# Altium PCB 23005.PcbDoc (part 3 of 3)
Units mm, origin at the board's own origin, x right, y up, seen from the top; angles counter-clockwise.
Board outline 170 x 170 mm, 4 copper layers (Top Layer, Mid Layer 1, Mid Layer 2, Bottom Layer), stack 0.981 mm thick; 179 components, 261 nets, 1060 pads, 391 vias.
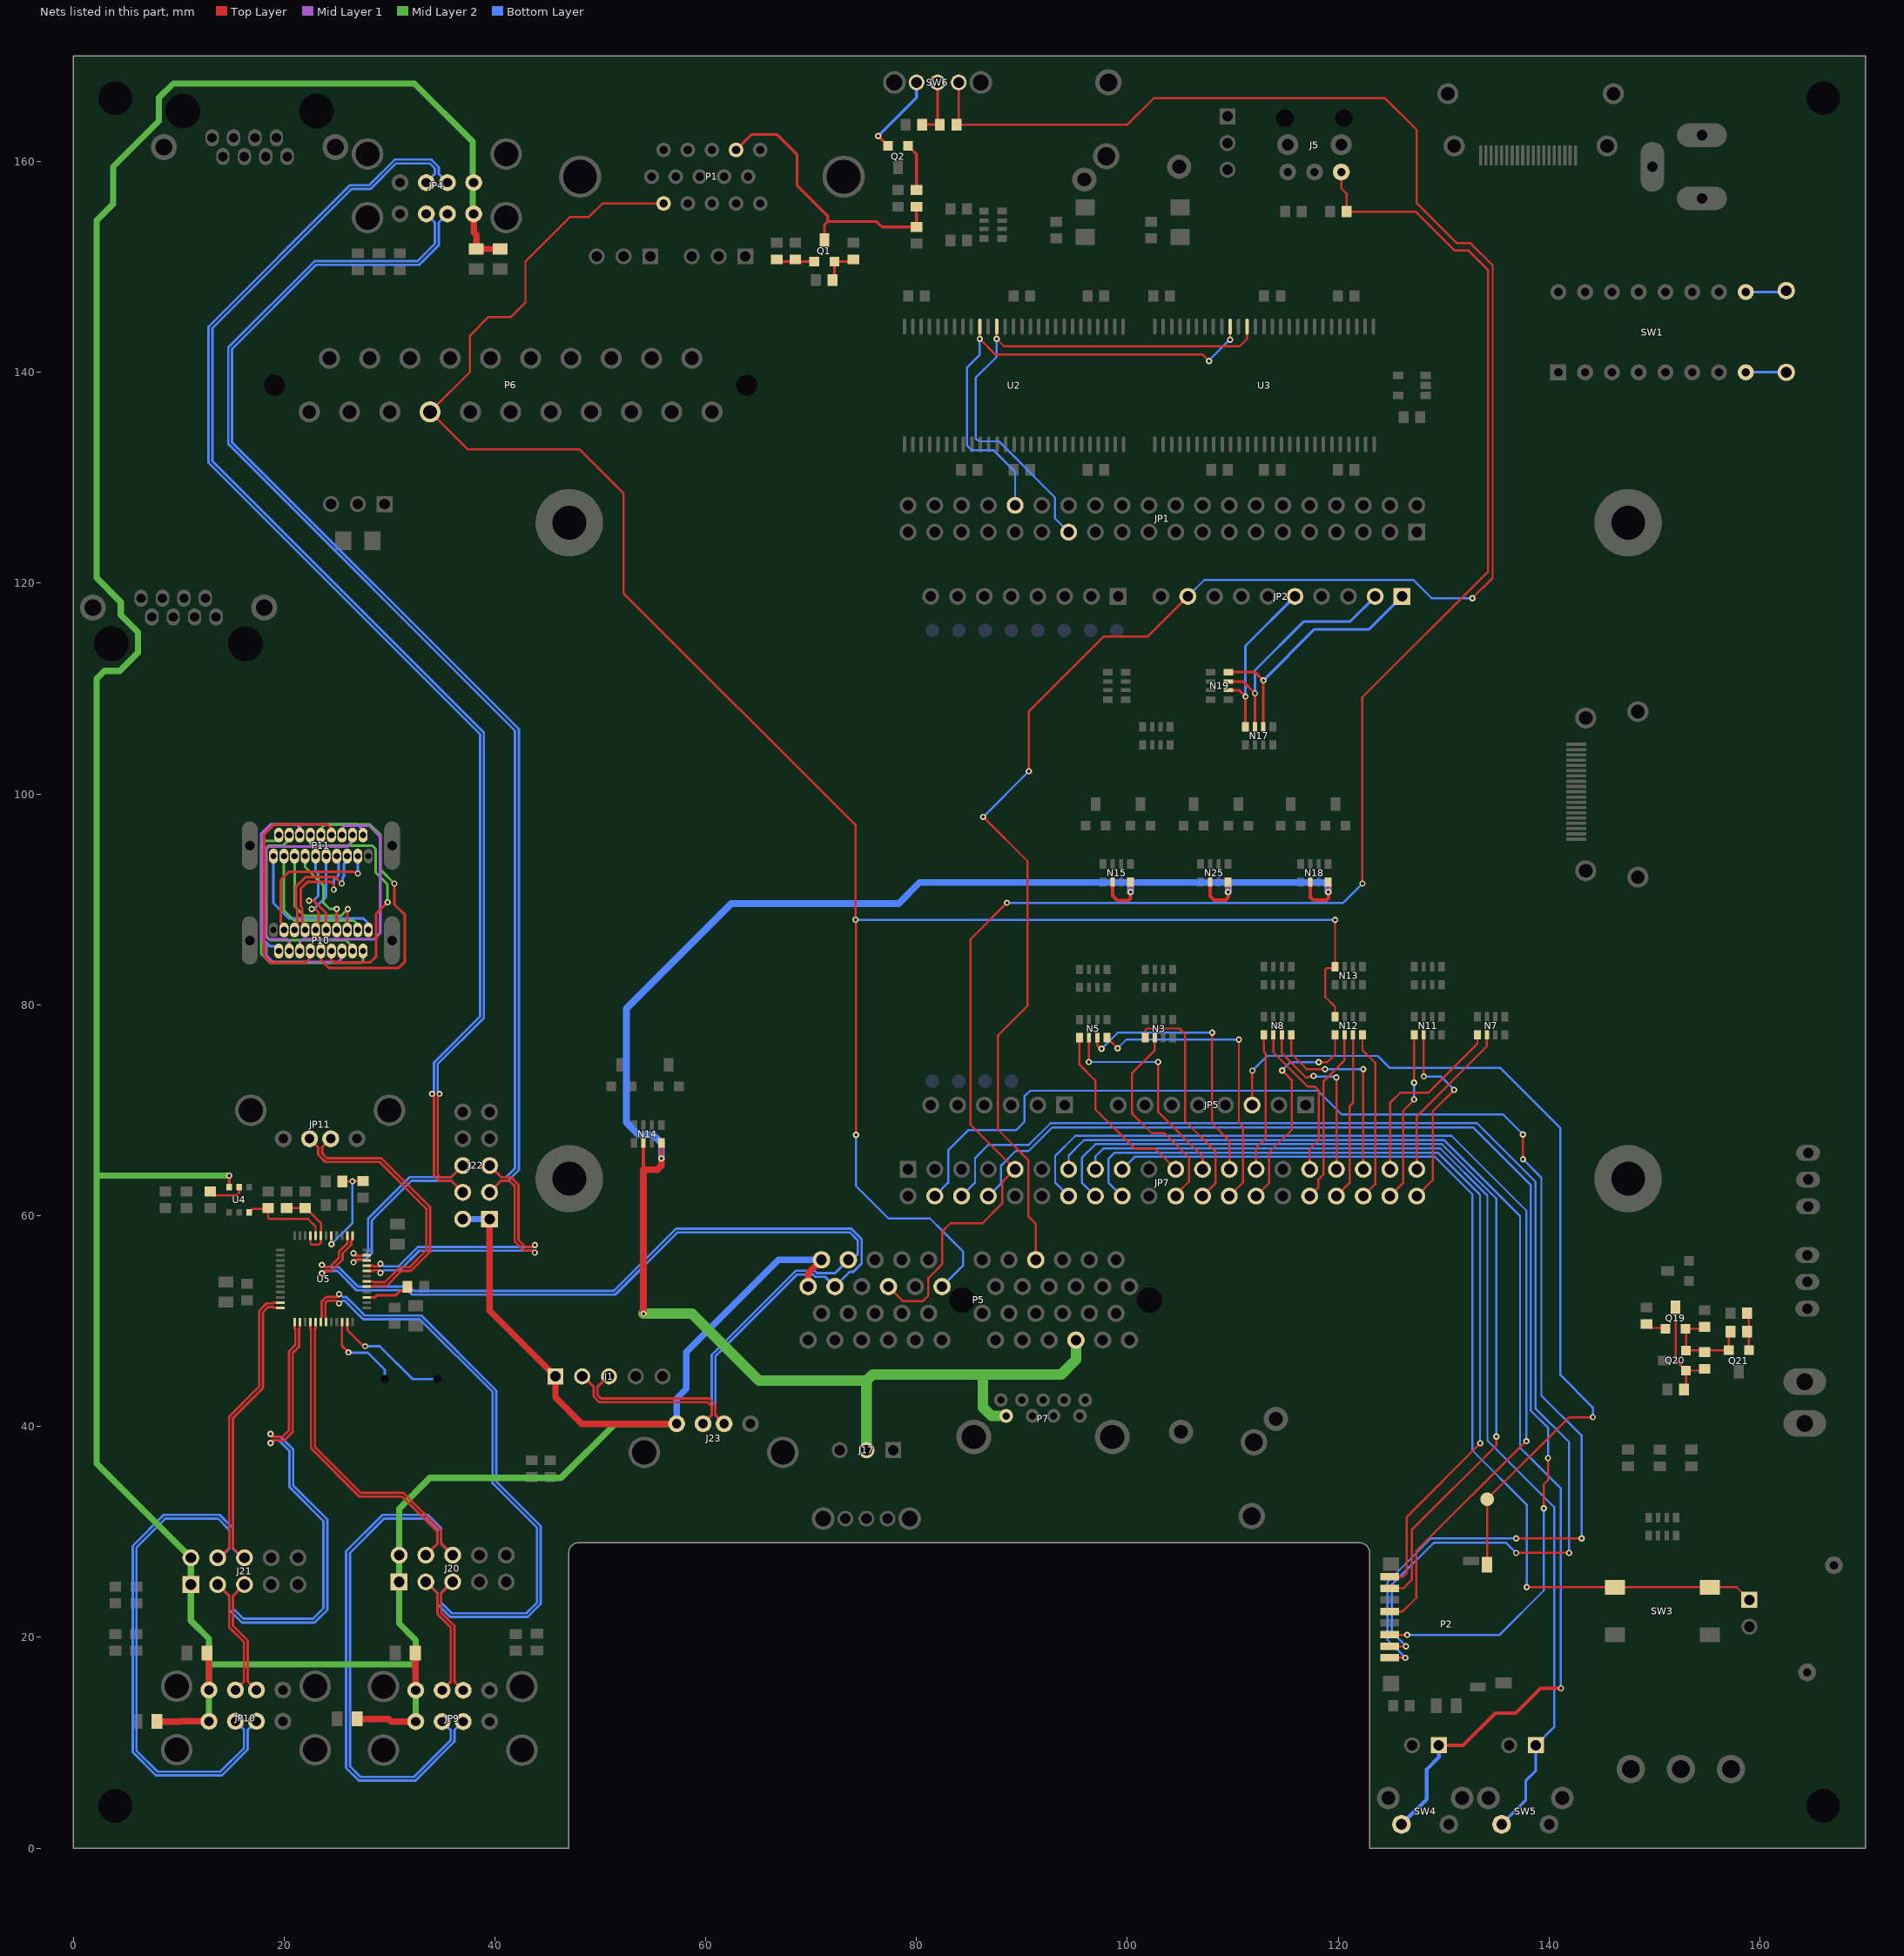
[diagram p5: the nets of this part, all layers, seen from the top]

## Via types
v1: diameter 0.6, hole 0.3, Top Layer to Bottom Layer, tented both sides, 388 vias
v2: diameter 1.4, hole 0.8, Top Layer to Bottom Layer, tented both sides, 3 vias

## Nets (pads, with @x,y where several pads share a name; then routed paths per layer and width w, separated by ;. In a path a pad name is that pad's centre, name@x,y a point inside that pad or via, vN(x,y) a via of type N, cw(c..) or ccw(c..) an arc to the next point about the centre after c; other vN are vias at no path point) (continued)
NetP10_2: P10.2 P11.2 | length 22.6
  Bottom Layer w0.25: P10.2@19.5,85.1 19.5,85.213 19.138,85.575 18.65,85.575 18,86.225 18,96.25 18.875,97.125 26.95,97.125 27.5,96.575 P11.2@27.5,96.1
NetP10_3: P10.3 P11.3 | length 14.2
  Top Layer w0.25: P10.3@20,87.1 20,87.537 19.7,87.837 19.7,91.85 20.475,92.625 26.73,92.625 26.905,92.45 v1(27,92.45)
  Bottom Layer w0.25: v1(27,92.45) P11.3@27,94.1
NetP10_4: P10.4 P11.4 | length 20.8
  Mid Layer 1 w0.25: P10.4@20.5,85.1 20.5,86.054 20.354,86.2 18.571,86.2 18.275,86.496 18.275,94.75 18.55,95.025 26.025,95.025 26.5,95.5 P11.4@26.5,96.1
NetP10_5: P10.5 P11.5 | length 12.1
  Top Layer w0.25: P10.5@21,87.1 21,87.537 21.275,87.812 21.275,89 21.125,89.15 21.125,91.186 22.043,92.104 24.872,92.104 v1(25.476,91.5)
  Bottom Layer w0.25: v1(25.476,91.5) 25.543,91.567 25.543,92.032 25.7,92.189 25.7,93.379 26,93.679 P11.5@26,94.1
NetP10_6: P10.6 P11.6 | length 22.8
  Mid Layer 1 w0.25: P10.6@21.5,85.1 21.503,85.103 21.503,86.003 21.7,86.2 28.525,86.2 29.129,86.804 29.129,95.946 28.075,97 25.775,97 25.5,96.725 P11.6@25.5,96.1
NetP10_7: P10.7 P11.7 | length 11.5
  Top Layer w0.25: P10.7@22,87.1 22,87.537 21.725,87.812 21.725,89.2 21.575,89.35 21.575,91 22.229,91.654 24.458,91.654 24.725,91.388 v1(24.725,90.925)
  Bottom Layer w0.25: v1(24.725,90.925) 24.725,91.85 25.2,92.325 25.2,93.463 25,93.663 P11.7@25,94.1
NetP10_8: P10.8 P11.8 | length 24.6
  Top Layer w0.25: P10.8@22.5,85.1 22.385,84.985 22.385,84.36 22.025,84 18.725,84 18.125,84.6 18.125,96.15 19.1,97.125 24.125,97.125 24.5,96.75 P11.8@24.5,96.1
NetP10_9: P10.9 P11.9 | length 8.3
  Top Layer w0.25: v1(22.625,89.075) 22.975,89.075 23.275,88.775 23.275,87.812 23,87.537 P10.9@23,87.1
  Bottom Layer w0.25: v1(22.625,89.075) 22.692,89.142 22.889,89.142 24,90.253 P11.9@24,94.1
NetP10_10: P10.10 P11.10 | length 29.2
  Top Layer w0.25: P10.10@23.5,85.1 23.528,85.072 23.528,84.222 24.275,83.475 30.85,83.475 31.475,84.1 31.475,88.525 30.475,89.525 v1(30.475,91.5)
  Mid Layer 2 w0.25: P11.10@23.5,96.1 23.5,96.7 23.925,97.125 28.15,97.125 29.168,96.107 29.168,92.807 v1(30.475,91.5)
NetP10_11: P10.11 P11.11 | length 8.6
  Top Layer w0.25: v1(22.376,89.879) 22.807,89.879 24,88.686 P10.11@24,87.1
  Bottom Layer w0.25: v1(22.376,89.879) 22.398,89.901 22.826,89.901 23.25,90.325 23.25,92.413 23,92.663 P11.11@23,94.1
NetP10_12: P10.12 P11.12 | length 23.8
  Top Layer w0.25: P10.12@24.5,85.1 24.5,84.171 24.646,84.025 28.2,84.025 28.75,84.575 28.75,88.65 v1(29.825,89.725)
  Mid Layer 2 w0.25: P11.12@22.5,96.1 22.5,95.25 22.675,95.075 28.4,95.075 28.7,94.775 28.7,92.55 29.825,91.425 v1(29.825,89.725)
NetP10_13: P10.13 P11.13 | length 8.6
  Top Layer w0.25: P10.13@25,87.1 v1(25,89.1)
  Mid Layer 2 w0.25: P11.13@22,94.1 22,93.075 23.725,91.35 23.725,89.7 24.325,89.1 v1(25,89.1)
NetP10_14: P10.14 P11.14 | length 24.9
  Mid Layer 1 w0.25: P11.14@21.5,96.1 21.5,96.85 21.25,97.1 18.725,97.1 17.825,96.2 17.825,86.175 18.325,85.675 18.325,84.675 18.925,84.075 25.15,84.075 25.5,84.425 P10.14@25.5,85.1
NetP10_15: P10.15 P11.15 | length 12.4
  Top Layer w0.25: P10.15@26,87.1 26.025,87.125 26.025,89.05 v1(26.05,89.075)
  Mid Layer 2 w0.25: P11.15@21,94.1 21,89.35 21.9,88.45 25.425,88.45 v1(26.05,89.075)
NetP10_16: P10.16 P11.16 | length 20.3
  Mid Layer 2 w0.25: P11.16@20.5,96.1 20.5,95.7 19.875,95.075 18.525,95.075 18.321,94.871 18.321,86.479 18.675,86.125 25.875,86.125 26.5,85.5 P10.16@26.5,85.1
NetP10_17: P10.17 P11.17 | length 13.2
  Mid Layer 2 w0.25: P11.17@20,94.1 20,88.95 20.95,88 26.6,88 27,87.6 P10.17@27,87.1
NetP10_18: P10.18 P11.18 | length 23.5
  Mid Layer 2 w0.25: P11.18@19.5,96.1 19.5,95.8 19.25,95.55 18.275,95.55 17.825,95.1 17.825,84.85 18.7,83.975 27.275,83.975 27.497,84.197 27.497,85.097 P10.18@27.5,85.1
NetP10_19: P10.19 P11.19 | length 14.9
  Bottom Layer w0.25: P11.19@19,94.1 19,89.639 20.439,88.2 27.525,88.2 28,87.725 P10.19@28,87.1
NetPP1_1: PP1.1 SW1.8 | length 3.9
  Bottom Layer w0.23: SW1.8@158.66,140 158.672,140.012 162.488,140.012 PP1.1@162.5,140
NetPP2_1: PP2.1 SW1.9 | length 3.9
  Bottom Layer w0.23: SW1.9@158.66,147.62 158.662,147.622 162.372,147.622 PP2.1@162.5,147.75
NetQ1_1: Q1.1 R2.1 R5.2 | length 3.6
  Top Layer w0.25: R5.2@66.75,150.713 66.953,150.509 Q1.1@70.297,150.509
NetQ1_2: Q1.2 R1.1 R4.1 | length 3.7
  Top Layer w0.25: R4.1@72.037,148.75 72.202,148.915 Q1.2@72.202,150.509 73.797,150.509 R1.1@74,150.713
NetQ2_1: Q2.1 R9.2 | length 4.5
  Top Layer w0.25: Q2.1@79.203,161.491 80,160.693 R9.2@80,157.287
NetQ2_2: Q2.2 SW6.1 | length 7.9
  Top Layer w0.25: v1(76.375,162.425) 76.375,162.413 Q2.2@77.298,161.491
  Bottom Layer w0.25: v1(76.375,162.425) 80,166.05 SW6.1@80,167.5
NetQ19_1: Q19.1 R13.1 | length 2
  Top Layer w0.2: R13.1@149.25,49.713 149.62,49.343 150.964,49.343 Q19.1@151.048,49.259
NetQ19_2: Q19.2 Q20.2 Q21.2 R26.1 R27.1 R28.1 | length 9.9
  Top Layer w0.2: R28.1@154.75,49.463 154.547,49.259 Q19.2@152.953,49.259 152.991,49.221 Q20.2@152.991,47.202 157.009,47.202 Q21.2@157.047,47.241 157.047,48.835 R27.1@157.213,49
NetQ19_3: Q19.3 Q20.1 R3.1 R26.2 | length 10.1
  Top Layer w0.2: Q19.3@152,51.291 152,46.288 Q20.1@152.991,45.297 ; R3.1@152.787,43.5 152.991,43.703 Q20.1@152.991,45.297 ; R26.2@154.75,45.463 154.585,45.297 Q20.1@152.991,45.297
NetQ21_1: Q21.1 R12.1 R27.2 | length 3.6
  Top Layer w0.2: R12.1@158.787,50.75 158.952,50.585 Q21.1@158.952,47.241
NetR8_1: R8.1 R10.2 SW6.2 | length 5.8
  Top Layer w0.25: R10.2@80.537,163.5 R8.1@82.213,163.5 82,163.713 SW6.2@82,167.5
NetR20_2: R20.2 U4.5 | length 3.5
  Top Layer w0.2: R20.2@13,62.287 13.37,61.917 15.492,61.917 15.75,62.175 U4.5@15.75,62.7
NetR21_2: R21.2 R23.1 U5.43 U5.45 | length 7.5
  Top Layer w0.2: R21.2@20.25,60.713 R23.1@22,60.713 22.08,60.713 23.5,59.293 U5.43@23.5,58.09 23.5,57.425 23.325,57.25 22.617,57.25 22.5,57.367 U5.45@22.5,58.09
NetR24_1: R24.1 R30.2 U5.41 | length 9.5
  Top Layer w0.2: v1(24.5,57.3) U5.41@24.5,58.09 ; R24.1@25.537,63.25 v1(26.5,63.25) 26.537,63.287 R30.2@27.5,63.287
  Bottom Layer w0.2: v1(24.5,57.3) 26.5,59.3 v1(26.5,63.25)
NetR25_2: R25.2 U5.27 | length 4.3
  Top Layer w0.25: U5.27@27.84,52.25 28.645,52.25 28.845,52.45 30.625,52.45 31.025,52.85 31.368,52.85 31.713,53.195 R25.2@31.713,53.25
NetU5_22: U5.22 X2.2 | length 8.1
  Top Layer w0.23: U5.22@25.5,49.91 25.5,47.65 v1(26.125,47.025)
  Bottom Layer w0.23: v1(26.125,47.025) 26.163,46.987 27.956,46.987 29.562,45.382 X2.2@29.562,44.5
NetU5_23: U5.23 X2.1 | length 11.2
  Top Layer w0.23: U5.23@26,49.91 26.01,49.9 26.01,49.145 27.553,47.602 v1(27.701,47.602)
  Bottom Layer w0.23: v1(27.701,47.602) 29.081,47.602 32.183,44.5 X2.1@34.54,44.5
RAS: JP1.32 U2.18 U3.18 | length 47.3
  Top Layer w0.2: U2.18@86,144.338 v1(86,143.176) 87.5,141.675 107.142,141.675 107.742,141.075 v1(107.75,141.075) ; v1(109.749,143.1) U3.18@109.749,144.338
  Bottom Layer w0.2: v1(86,143.176) 86,141.675 84.799,140.475 84.799,133.051 85.25,132.6 87.325,132.6 89.35,130.575 JP1.32@89.35,127.38 ; v1(107.75,141.075) 107.75,141.138 109.712,143.1 v1(109.749,143.1)
RED: N12.8 N13.8 P1.1 P5.11 P6.15 | length 203.8
  Top Layer w0.2: P1.1@56.01,156.02 50.195,156.02 48.925,154.75 47.15,154.75 42.9,150.5 42.9,146.625 41.525,145.25 39.4,145.25 37.65,143.5 37.65,140.04 P6.15@33.86,136.25 37.41,132.7 48.025,132.7 52.2,128.525 52.2,119.05 74.225,97.025 v1(74.225,88.075) 74.25,88.05 v1(74.25,67.65) ; N12.8@119.7,78.85 119.7,79.825 118.775,80.75 118.775,83.358 118.892,83.475 119.7,83.475 v1(119.7,88.05)
  Bottom Layer w0.2: v1(74.225,88.075) 74.238,88.062 119.688,88.062 v1(119.7,88.05) ; v1(74.25,67.65) 74.25,62.825 77.35,59.725 81.275,59.725 82.42,58.58 84.4,56.6 84.4,55.25 P5.11@82.42,53.27
RTS: JP2.5 N17.4 N19.2 | length 16.2
  Top Layer w0.25: N19.2@109.6,109.85 110.6,109.85 v1(111.2,109.25) N17.4@111.2,106.35
  Bottom Layer w0.25: v1(111.2,109.25) 111.2,114.05 JP2.5@115.89,118.74
RX: JP2.1 N17.2 N19.4 | length 24.5
  Top Layer w0.25: N19.4@109.6,111.55 112.125,111.55 v1(112.9,110.775) N17.2@112.9,106.35
  Bottom Layer w0.25: v1(112.9,110.775) 117.75,115.625 122.935,115.625 JP2.1@126.05,118.74
SD_CD: JP5.3 P2.11 PP3.1 | length 84.4
  Top Layer w0.2: JP5.3@111.83,70.49 111.83,73.73 v1(111.85,73.75) ; P2.11@134.1,26.65 P2.11@134.1,26.888 134.125,26.912 134.125,30.45 PP3.1@134.125,33.1 141.9,40.875 v1(144.15,40.875) v1@144.1,40.925
  Bottom Layer w0.2: v1(111.85,73.75) 113.25,75.15 123.737,75.15 124.862,74.025 135.35,74.025 141.075,68.3 141.075,44.875 144.15,41.8 144.15,40.925 v1(144.15,40.875)
SD_CLK: JP7.14 P2.5 | length 96.9
  Top Layer w0.2: P2.5@124.875,22.45 126.125,22.45 127.4,23.725 127.4,28.191 v1@137.83,38.62
  Bottom Layer w0.2: JP7.14@94.43,61.85 93.15,63.13 93.15,65.65 95.075,67.575 130.75,67.575 137.85,60.475 v1(137.85,38.6)
SD_CMD: JP7.8 P2.3 | length 113.1
  Top Layer w0.2: P2.3@124.875,20.25 124.9,20.225 v1(126.525,20.225) ; v1(139.5,32.225) 139.5,34.5 139.9,34.9 v1(139.9,37)
  Bottom Layer w0.2: JP7.8@86.81,61.85 88.025,63.065 88.025,64.75 89.4,66.125 90.634,66.125 92.884,68.375 132.8,68.375 138.25,62.925 138.25,41.524 139.9,39.874 v1(139.9,37) ; v1(126.525,20.225) 135.3,20.225 139.5,24.425 v1(139.5,32.225)
SD_DAT0: JP7.16 P2.7 | length 88.1
  Top Layer w0.2: P2.7@124.875,24.65 126.2,24.65 126.975,25.425 126.975,30.175 135,38.2 v1(135,39.05)
  Bottom Layer w0.2: JP7.16@96.97,61.85 95.675,63.145 95.675,65.475 96.975,66.775 129.841,66.775 135,61.616 v1(135,39.05)
SD_DAT1: JP7.18 P2.8 | length 81.8
  Top Layer w0.2: P2.8@124.875,25.75 126.15,25.75 126.5,26.1 126.5,31.425 v1(133.475,38.4)
  Bottom Layer w0.2: JP7.18@99.51,61.85 99.48,61.85 98.225,63.105 98.225,65.4 98.8,65.975 129.45,65.975 133.45,61.975 133.45,38.425 v1(133.475,38.4)
SD_DAT3: JP7.4 P2.1 | length 135
  Top Layer w0.2: P2.1@124.875,18.05 v1(126.375,18.05) ; v1(136.875,29.375) v1(143.1,29.375) ; v1(137.525,67.7) 137.532,67.693 v1(137.532,65.343)
  Bottom Layer w0.2: JP7.4@81.73,61.85 83,63.12 83,66.2 84.9,68.1 89.425,68.1 90.225,68.9 90.225,71.3 90.775,71.85 118.069,71.85 120.319,69.6 135.625,69.6 v1(137.525,67.7) ; v1(126.375,18.05) 124.675,19.75 124.675,25.25 128.8,29.375 v1(136.875,29.375) ; v1(137.532,65.343) 139.275,63.6 139.275,42.925 143.1,39.1 v1(143.1,29.375)
SD_DAT4: JP7.6 P2.2 | length 124.3
  Top Layer w0.2: P2.2@124.875,19.15 v1(126.425,19.15) ; v1(136.875,28) v1(141.9,28)
  Bottom Layer w0.2: JP7.6@84.27,61.85 85.55,63.13 85.55,65.45 86.812,66.713 90.656,66.713 92.719,68.775 133.15,68.775 138.725,63.2 138.725,41.675 141.9,38.5 v1(141.9,28) ; v1(126.425,19.15) 125.075,20.5 125.075,24.975 129.05,28.95 135.925,28.95 v1(136.875,28)
SOG: JP2.9 P5.16 R8.2 SW6.3 | length 205.2
  Top Layer w0.2: SW6.3@84,167.5 84,163.713 R8.2@83.787,163.5 100,163.5 102.5,166 124.45,166 127.45,163 127.45,156.05 131.25,152.25 132.55,152.25 134.65,150.15 134.65,120.5 v1(132.725,118.575) ; v1(86.325,97.825) 90.525,93.625 90.525,79.9 87.725,77.1 87.725,68.15 90.625,65.25 90.625,59.9 91.31,59.215 P5.16@91.31,55.81 ; v1(90.65,102.15) 90.637,102.163 90.637,107.812 97.775,114.95 101.94,114.95 JP2.9@105.73,118.74
  Bottom Layer w0.2: v1(86.325,97.825) v1(90.65,102.15) ; JP2.9@105.73,118.74 107.29,120.3 127.125,120.3 128.85,118.575 v1(132.725,118.575)
SPDIF: J5.3 JP7.9 P5.7 R29.2 | length 167.5
  Top Layer w0.2: P5.7@77.34,53.27 78.71,51.9 80.6,51.9 81.125,52.425 81.125,54.075 82.45,55.4 82.45,58.5 83.225,59.275 86.25,59.275 88.125,61.15 88.125,63.165 JP7.9@89.35,64.39 85.125,68.615 85.125,86.225 v1(88.575,89.675) ; J5.3@120.29,159 120.29,157.46 120.787,156.963 R29.2@120.787,155.25 127.325,155.25 131,151.575 132.325,151.575 134.225,149.675 134.225,121.1 122.286,109.161 v1@122.286,91.5
  Bottom Layer w0.2: v1(88.575,89.675) 120.475,89.675 v1(122.3,91.5)
SW_OSD: J12.1 JP7.13 SW4.1 | length 116.9
  Top Layer w0.35: J12.1@129.54,9.75 131.85,9.75 134.913,12.812 136.85,12.812 139.188,15.15 v1(141.125,15.15)
  Bottom Layer w0.2: JP7.13@94.43,64.39 94.43,65.705 95.9,67.175 130.025,67.175 137.25,59.95 137.25,37.975 137.275,37.95 138.113,37.113 141.125,34.1 v1(141.125,15.15)
  Bottom Layer w0.35: SW4.1@126,2.25 128.4,4.65 128.4,7.475 129.54,8.615 J12.1@129.54,9.75
SW_RES: J11.1 JP7.17 SW3.3 SW3.4 | length 96.2
  Top Layer w0.2: v1(137.875,24.75) 146.2,24.75 146.225,24.775 SW3.4@146.25,24.75 SW3.3@155.25,24.75 157.79,24.75 J11.1@159,23.54
  Bottom Layer w0.2: JP7.17@99.51,64.39 100.695,65.575 129.175,65.575 132.725,62.025 132.725,37.725 137.875,32.575 v1(137.875,24.75)
SW_USER: J14.1 JP7.15 SW5.1 | length 104.9
  Bottom Layer w0.2: JP7.15@96.97,64.39 96.97,65.62 97.725,66.375 129.675,66.375 134.15,61.9 134.15,38.675 140.475,32.35 140.475,11.475 J14.1@138.75,9.75
  Bottom Layer w0.25: SW5.1@135.5,2.25 137.775,4.525 137.775,6.375 138.75,7.35 J14.1@138.75,9.75
TX: JP2.2 N17.3 N19.3 | length 22.6
  Top Layer w0.25: N19.3@109.6,110.65 111,110.65 v1(112.1,109.55) N17.3@112.1,106.35
  Bottom Layer w0.25: v1(112.1,109.55) 112.1,111.725 116.75,116.375 121.145,116.375 JP2.2@123.51,118.74
USB1_D_N: J20.3 JP9.2 U5.18 | length 69.7
  Top Layer w0.23: U5.18@23.51,49.9 U5.18@23.5,49.91 23.51,49.92 23.51,50.333 23.573,50.395 23.573,51.875 23.978,52.28 25.09,52.28 25.09,52.303 25.227,52.439 v1(25.227,52.539) ; J20.3@33.46,25.25 34.552,24.158 34.552,22.195 35.822,20.925 35.822,15.792 JP9.2@35,14.97
  Bottom Layer w0.23: v1(25.227,52.539) 25.287,52.539 25.546,52.28 25.908,52.28 26.832,51.357 27.663,50.525 33.025,50.525 40.143,43.407 40.143,43.26 40.143,34.76 44.355,30.547 44.355,23.153 43.122,21.92 35.778,21.92 34.552,23.145 34.552,24.2 33.503,25.25 J20.3@33.46,25.25
USB1_D_P: J20.5 JP9.3 U5.19 | length 67.4
  Top Layer w0.23: U5.19@23.99,49.9 U5.19@24,49.91 23.99,49.92 23.99,50.333 23.928,50.395 23.928,51.728 24.125,51.925 25.09,51.925 25.09,51.902 25.227,51.766 v1(25.227,51.666) ; J20.5@36,25.25 34.907,24.158 34.907,22.343 36.177,21.073 36.177,15.792 JP9.3@37,14.97
  Bottom Layer w0.23: v1(25.227,51.666) 25.311,51.666 25.571,51.925 25.761,51.925 26.685,51.002 27.516,50.17 32.878,50.17 39.787,43.26 39.787,34.613 44,30.4 44,23.3 42.975,22.275 35.925,22.275 34.907,23.293 34.907,24.2 35.957,25.25 J20.5@36,25.25
USB2_D_N: J20.4 JP9.6 U5.16 | length 76.7
  Top Layer w0.23: U5.16@22.5,49.91 22.51,49.9 22.51,49.287 22.572,49.225 22.572,37.925 27.151,33.347 31.205,33.347 34.552,30 34.552,28.883 J20.4@33.46,27.79
  Bottom Layer w0.23: J20.4@33.46,27.79 34.552,28.883 34.552,30.198 33.5,31.25 29.5,31.25 26.25,28 26.25,7.75 27.25,6.75 32.322,6.75 35.822,10.25 35.822,11.177 JP9.6@35,12
USB2_D_P: J20.6 JP9.7 U5.17 | length 79
  Top Layer w0.23: U5.17@23,49.91 22.99,49.9 22.99,49.287 22.928,49.225 22.928,38.073 27.298,33.702 31.352,33.702 34.907,30.147 34.907,28.883 J20.6@36,27.79
  Bottom Layer w0.23: J20.6@36,27.79 34.907,28.883 34.907,30.345 33.647,31.605 29.353,31.605 25.895,28.147 25.895,7.603 27.103,6.395 32.47,6.395 36.177,10.103 36.177,11.177 JP9.7@37,12
USB3_D_N: J21.3 JP10.2 U5.13 | length 56.6
  Top Layer w0.23: J21.3@13.71,25 14.802,23.907 14.802,20.948 16.212,19.538 16.212,15.822 JP10.2@15.39,15 ; v1(18.722,39.283) 18.722,39.183 18.86,39.045 18.86,39.025 19.869,39.025 20.471,39.627 20.471,47.121 21.073,47.722 21.073,49.225 21.01,49.287 21.01,49.9 U5.13@21,49.91
  Bottom Layer w0.23: J21.3@13.71,25 14.802,23.907 14.802,22.603 16.01,21.395 22.897,21.395 24.105,22.603 24.105,31.174 20.875,34.404 20.875,37.822 19.672,39.025 19.042,39.025 18.784,39.283 v1(18.722,39.283)
USB3_D_P: J21.5 JP10.3 U5.14 | length 55.4
  Top Layer w0.23: J21.5@16.25,25 15.157,23.907 15.157,21.095 16.567,19.685 16.567,15.822 JP10.3@17.39,15 ; v1(18.722,38.412) 18.722,38.512 18.86,38.65 18.86,38.67 20.016,38.67 20.826,39.48 20.826,46.973 21.428,47.575 21.428,49.225 21.49,49.287 21.49,49.9 U5.14@21.5,49.91
  Bottom Layer w0.23: J21.5@16.25,25 15.157,23.907 15.157,22.75 16.158,21.75 22.75,21.75 23.75,22.75 23.75,31.026 20.52,34.256 20.52,37.675 19.525,38.67 19.042,38.67 18.784,38.412 v1(18.722,38.412)
USB4_D_N: J21.4 JP10.6 U5.11 | length 75.2
  Top Layer w0.23: J21.4@13.71,27.54 13.842,27.54 14.802,28.5 14.802,40.925 17.645,43.768 17.645,50.97 18.353,51.678 18.975,51.678 19.037,51.74 19.65,51.74 U5.11@19.66,51.75
  Bottom Layer w0.23: J21.4@13.71,27.54 13.915,27.54 14.802,28.428 14.802,30.198 13.75,31.25 8.75,31.25 6,28.5 6,9.25 8,7.25 13.962,7.25 16.212,9.5 16.212,11.207 JP10.6@15.39,12.03
USB4_D_P: J21.6 JP10.7 U5.12 | length 76.9
  Top Layer w0.23: J21.6@16.25,27.54 16.117,27.54 15.157,28.5 15.157,40.778 18,43.62 18,50.823 18.5,51.323 18.975,51.323 19.037,51.26 19.65,51.26 U5.12@19.66,51.25
  Bottom Layer w0.23: J21.6@16.25,27.54 16.045,27.54 15.157,28.428 15.157,30.345 13.897,31.605 8.603,31.605 5.645,28.647 5.645,9.103 7.853,6.895 14.11,6.895 16.567,9.353 16.567,11.207 JP10.7@17.39,12.03
USB5_D_N: J22.3 JP4.2 U5.32 | length 147.3
  Top Layer w0.23: U5.32@27.84,54.75 27.85,54.76 28.463,54.76 28.525,54.823 v1@29.015,54.823 ; J22.3@39.5,62.21 40.592,63.302 41.373,63.302 41.895,62.78 41.895,57.533 42.753,56.675 43.615,56.675 v1(43.8,56.49)
  Bottom Layer w0.23: v1(29.154,54.568) 29.219,54.568 29.474,54.823 30.998,54.823 32.85,56.675 43.615,56.675 v1(43.8,56.49) ; JP4.2@35.5,155.03 34.677,154.208 34.677,152.053 32.82,150.195 23.05,150.195 15.075,142.22 15.075,133.35 42.275,106.15 42.275,64.33 41.247,63.302 40.592,63.302 J22.3@39.5,62.21
USB5_D_P: J22.5 JP4.3 U5.33 | length 146.7
  Top Layer w0.23: U5.33@27.84,55.25 27.85,55.24 28.463,55.24 28.525,55.178 v1@29.015,55.178 ; J22.5@39.5,64.75 40.592,63.658 41.52,63.658 42.25,62.927 42.25,57.68 42.9,57.03 43.615,57.03 v1(43.8,57.215)
  Bottom Layer w0.23: v1(29.154,55.432) 29.219,55.432 29.474,55.178 30.85,55.178 32.703,57.03 43.615,57.03 v1(43.8,57.215) ; JP4.3@33.5,155.03 34.322,154.208 34.322,152.2 32.673,150.55 22.903,150.55 14.72,142.367 14.72,133.203 41.92,106.003 41.92,64.477 41.1,63.658 40.592,63.658 J22.5@39.5,64.75
USB6_D_N: J22.4 JP4.6 U5.34 | length 144.4
  Top Layer w0.23: v1(26.595,55.572) 26.595,55.672 26.735,55.811 26.735,55.823 27.355,55.823 27.417,55.76 27.83,55.76 U5.34@27.84,55.75 ; v1(34.035,71.55) 34.22,71.365 34.22,63.753 34.67,63.302 35.868,63.302 J22.4@36.96,62.21
  Bottom Layer w0.23: v1(26.595,55.572) 26.664,55.572 26.915,55.823 27.725,55.823 28.33,56.428 28.33,59.55 32.083,63.302 35.868,63.302 J22.4@36.96,62.21 ; v1(34.035,71.55) 34.22,71.735 34.22,74.514 38.6,78.894 38.6,105.673 12.85,131.423 12.85,144.327 26.273,157.75 28.073,157.75 30.503,160.18 33.972,160.18 34.677,159.475 34.677,158.823 JP4.6@35.5,158
USB6_D_P: J22.6 JP4.7 U5.35 | length 142.6
  Top Layer w0.23: v1(26.595,56.428) 26.595,56.328 26.735,56.189 26.735,56.178 27.355,56.178 27.417,56.24 27.83,56.24 U5.35@27.84,56.25 ; v1(34.76,71.55) 34.575,71.365 34.575,63.9 34.817,63.658 35.868,63.658 J22.6@36.96,64.75
  Bottom Layer w0.23: v1(26.595,56.428) 26.664,56.428 26.915,56.178 27.578,56.178 27.975,56.575 27.975,59.697 31.935,63.658 35.868,63.658 J22.6@36.96,64.75 ; JP4.7@33.5,158 34.322,158.823 34.322,159.328 33.825,159.825 30.65,159.825 28.22,157.395 26.42,157.395 13.205,144.18 13.205,131.57 38.955,105.82 38.955,78.746 34.575,74.366 34.575,71.735 v1(34.76,71.55)
USB7_D_N: J1.2 J23.2 P5.4 U5.37 | length 101.9
  Top Layer w0.23: v1(23.6,54.525) 23.7,54.525 23.923,54.748 24.475,54.748 25.555,55.828 25.555,56.405 26.387,57.237 26.387,57.564 26.49,57.667 26.49,58.08 U5.37@26.5,58.09 ; J1.2@48.29,44.75 48.383,44.75 49.382,43.75 49.382,42.828 49.915,42.295 60.175,42.295 60.573,41.897 60.573,41.073 J23.2@59.75,40.25
  Bottom Layer w0.23: v1(23.6,54.525) 23.7,54.525 23.923,54.748 25.053,54.748 26.88,52.92 31.753,52.92 32.173,52.5 51.425,52.5 57.338,58.413 73.663,58.413 74.426,57.649 74.426,56.379 73.857,55.81 P5.4@73.53,55.81 72.275,54.555 70.55,54.555 70.339,54.766 68.541,54.766 60.573,46.797 60.573,41.073 J23.2@59.75,40.25
USB7_D_P: J1.3 J23.3 P5.3 U5.38 | length 103.1
  Top Layer w0.23: v1(23.6,55.325) 23.7,55.325 23.923,55.103 24.328,55.103 25.2,55.975 25.2,56.552 26.032,57.384 26.032,57.645 26.01,57.667 26.01,58.08 U5.38@26,58.09 ; J1.3@50.83,44.75 50.737,44.75 49.738,43.75 49.738,42.975 50.062,42.65 60.322,42.65 60.928,42.044 60.928,41.75 60.928,41.073 J23.3@61.75,40.25
  Bottom Layer w0.23: v1(23.6,55.325) 23.7,55.325 23.923,55.103 25.2,55.103 27.027,53.275 31.9,53.275 32.32,52.855 51.278,52.855 57.19,58.768 73.81,58.768 74.8,57.777 74.8,55.45 74.015,54.665 73.655,54.665 P5.3@72.26,53.27 71.33,54.2 70.403,54.2 70.192,54.411 68.688,54.411 60.928,46.65 60.928,41.073 J23.3@61.75,40.25
USB_D_N: JP11.2 U5.29 | length 25.7
  Top Layer w0.23: JP11.2@24.43,67.29 23.608,66.467 23.608,65.925 24.078,65.455 29.22,65.455 33.855,60.82 33.855,56.555 32.05,54.75 31.147,54.75 29.72,53.323 28.525,53.323 28.463,53.26 27.85,53.26 U5.29@27.84,53.25
USB_D_P: JP11.3 U5.30 | length 25.1
  Top Layer w0.23: JP11.3@22.43,67.29 23.253,66.467 23.253,65.778 23.93,65.1 29.073,65.1 33.5,60.673 33.5,56.702 31.903,55.105 31,55.105 29.573,53.678 28.525,53.678 28.463,53.74 27.85,53.74 U5.30@27.84,53.75
USB_EN: R22.2 U4.3 U5.44 | length 8.6
  Top Layer w0.2: U4.3@16.7,60.3 16.7,60.35 16.975,60.625 18.412,60.625 R22.2@18.5,60.713 18.5,59.792 18.617,59.675 22.275,59.675 23,58.95 U5.44@23,58.09
V_SNAC: J17.2 N14.2 N14.4 N15.2 N15.4 N18.2 N18.4 N25.2 N25.4 P5.42 P7.1 | length 183.8
  Top Layer w0.35: 54.1,64.35 N14.2@54.1,66.9 ; v1(55.8,65.425) N14.4@55.8,66.9 ; N15.2@98.6,91.65 98.6,90.35 99.05,89.9 100.095,89.9 100.3,90.105 v1(100.3,90.687) N15.4@100.3,91.65 ; N25.2@107.85,91.65 107.85,90.3 108.225,89.925 109.345,89.925 109.55,90.13 v1(109.55,90.687) N25.4@109.55,91.65 ; N18.2@117.35,91.65 117.35,90.225 117.65,89.925 118.87,89.925 119.075,90.13 119.075,90.662 v1(119.05,90.687) N18.4@119.05,91.65
  Top Layer w0.65: v1(54.1,50.7) 54.1,64.35 55.4,64.35 55.8,64.75 v1(55.8,65.425)
  Mid Layer 2 w1: v1(54.1,50.7) 58.7,50.7 65.061,44.339 75.25,44.339 ; J17.2@75.25,37.75 75.25,44.339 ; 86.3,44.9 86.3,41.8 87.1,41 P7.1@88.5,41 ; P5.42@95.12,48.19 95.12,46.325 93.72,44.925 75.836,44.925 75.25,44.339
  Bottom Layer w0.65: v1(55.8,65.425) 55.8,66.9 55.025,67.675 53.625,67.675 52.475,68.825 52.475,79.65 62.425,89.6 78.3,89.6 80.3,91.6 100.3,91.6 ; v1(100.3,90.687) 100.3,91.6 ; v1(109.55,90.687) 109.575,90.712 109.575,91.6 ; v1(119.05,90.687) 119.05,91.219 118.669,91.6 109.575,91.6 ; 100.3,91.6 109.575,91.6
VBUS: C24.1 C25.1 C26.1 C27.1 C28.1 C29.1 J1.1 J20.1 J20.2 J21.1 J21.2 J22.1 J22.2 J23.1 JP4.1 JP4.5 JP9.1 JP9.5 JP10.1 JP10.5 P5.1 P5.2 U4.6 | length 373
  Top Layer w0.3: U4.6@14.8,62.7 v1(14.8,63.8)
  Top Layer w0.6: C27.1@7.95,12.001 10.175,12.001 10.204,12.03 JP10.5@12.89,12.03 ; C26.1@12.7,18.501 12.875,18.326 12.875,17.525 12.89,17.51 JP10.1@12.89,15 ; C24.1@26.95,12.251 29.924,12.251 30.175,12 JP9.5@32.5,12 ; C25.1@32.45,18.501 32.475,18.476 32.475,14.995 JP9.1@32.5,14.97 ; JP4.1@38,155.03 38,153.3 38.249,153.051 C28.1@38.249,151.7 C29.1@40.499,151.7 ; J22.1@39.5,59.67 39.5,51 J1.1@45.75,44.75 45.75,42.75 48.25,40.25 J23.1@57.25,40.25 ; P5.1@69.72,53.27 69.72,54.54 P5.2@70.99,55.81
  Mid Layer 2 w0.6: JP10.5@12.89,12.03 JP10.1@12.89,15 12.89,17.43 ; v1@14.75,63.8 2.225,63.8 ; JP9.5@32.5,12 JP9.1@32.5,14.97 32.5,17.347 ; JP4.1@38,155.03 37.9,155.13 37.9,158 37.9,161.875 32.375,167.4 9.5,167.4 8.142,166.042 8.142,163.842 3.8,159.5 3.8,155.975 2.225,154.4 2.225,120.5 4.525,118.2 4.525,116.975 6.15,115.35 6.15,113.4 4.425,111.675 2.975,111.675 2.225,110.925 2.225,108.92 2.225,108.67 2.225,63.8 ; J23.1@57.25,40.25 51.4,40.25 46.262,35.113 33.838,35.113 30.92,32.195 J20.2@30.92,27.79 J20.1@30.92,25.25 30.92,21.305 32.5,19.725 32.5,17.347 ; P5.1@69.72,53.27 P5.1@69.75,53.3 ; 2.225,63.8 2.225,36.485 J21.2@11.17,27.54 J21.1@11.17,25 11.17,21.58 12.89,19.86 12.89,17.43 ; 12.89,17.43 32.417,17.43 32.5,17.347
  Bottom Layer w0.6: J22.2@36.96,59.67 J22.1@39.5,59.67 ; J23.1@57.25,40.25 57.25,42.65 58.163,43.563 58.163,47.063 66.91,55.81 P5.2@70.99,55.81
VGA_B1: JP7.21 N5.1 | length 17.4
  Top Layer w0.2: N5.1@95.45,76.9 95.45,75.95 95.45,74.325 96.975,72.8 96.975,70.075 100.7,66.35 102.63,66.35 JP7.21@104.59,64.39
VGA_B2: JP7.23 N5.2 | length 20.8
  Top Layer w0.2: v1(96.35,74.575) N5.2@96.35,76.9 ; v1(102.925,74.575) 102.925,69.825 107.13,65.62 JP7.23@107.13,64.39
  Bottom Layer w0.2: v1@96.338,74.563 v1(96.35,74.575) v1(102.925,74.575)
VGA_B3: JP7.25 N5.3 | length 26
  Top Layer w0.2: N5.3@97.15,76.9 97.15,76.15 97.475,75.825 v1(97.55,75.825) ; v1(108.05,77.35) 108.05,68.725 109.67,67.105 JP7.25@109.67,64.39
  Bottom Layer w0.2: v1(97.55,75.825) 99.075,77.35 v1(108.05,77.35)
VGA_B4: JP7.26 N5.4 | length 28.9
  Top Layer w0.2: N5.4@98.05,76.9 98.05,76.775 98.275,76.55 98.4,76.55 v1(99.075,75.875) ; JP7.26@109.67,61.85 110.975,63.155 110.975,68.425 110.575,68.825 v1(110.575,76.7)
  Bottom Layer w0.2: v1(99.075,75.875) 99.9,76.7 v1(110.575,76.7)
VGA_B5: JP7.24 N3.1 | length 21.8
  Top Layer w0.2: N3.1@101.7,76.9 101.7,77.6 101.85,77.75 104.95,77.75 105.475,77.225 105.475,68.975 108.375,66.075 108.375,63.095 JP7.24@107.13,61.85
VGA_B6: JP7.22 N3.2 | length 19.3
  Top Layer w0.2: N3.2@102.6,76.9 102.6,75.675 100.425,73.5 100.425,69.7 102.3,67.825 103.5,67.825 105.85,65.475 105.85,63.238 104.59,61.978 JP7.22@104.6,61.968
VGA_G1: JP7.27 N8.1 | length 13.3
  Top Layer w0.2: JP7.27@112.21,64.312 112.21,66.44 113.125,67.355 113.125,75.375 112.95,75.55 N8.1@112.95,77.15
VGA_G2: JP7.31 N8.2 | length 15.3
  Top Layer w0.2: N8.2@113.85,77.15 113.85,75.5 117.125,72.225 117.8,72.225 118.15,71.875 118.15,67.16 117.29,66.3 JP7.31@117.29,64.39
VGA_G3: JP7.33 N8.3 | length 16.7
  Top Layer w0.2: N8.3@114.65,77.15 114.65,75.4 116.95,73.1 117.15,73.1 117.223,73.173 117.573,73.173 v1(117.65,73.25) ; v1(119.825,73.1) 119.83,73.095 JP7.33@119.83,64.39
  Bottom Layer w0.2: v1(117.65,73.25) 117.725,73.175 119.75,73.175 v1(119.825,73.1)
VGA_G4: JP7.35 N8.4 | length 18.7
  Top Layer w0.2: N8.4@115.55,77.15 115.55,75.35 117,73.9 v1(118.75,73.9) ; JP7.35@122.37,64.39 122.37,73.895 v1(122.375,73.9)
  Bottom Layer w0.2: v1(118.75,73.9) v1(122.375,73.9)
VGA_G5: JP7.37 N7.1 | length 17.8
  Top Layer w0.2: JP7.37@124.91,64.39 124.91,70.685 125.875,71.65 128.55,71.65 133.2,76.3 N7.1@133.2,77.15
VGA_G6: JP7.39 N7.2 | length 15.5
  Top Layer w0.2: JP7.39@127.45,64.39 127.45,69.425 134.1,76.075 N7.2@134.1,77.15
VGA_R1: JP7.28 N12.1 | length 21.2
  Top Layer w0.2: JP7.28@112.21,61.85 113.45,63.09 113.45,66 115.6,68.15 115.6,72.85 v1(114.675,73.775) ; v1(118.15,74.55) 118.95,74.55 119.7,75.3 N12.1@119.7,77.15
  Bottom Layer w0.2: v1(114.675,73.775) 115.45,74.55 v1(118.15,74.55)
VGA_R2: JP7.32 N12.2 | length 16.7
  Top Layer w0.2: JP7.32@117.29,61.85 118.125,62.685 118.125,63.425 118.6,63.9 118.6,72.724 120.6,74.724 N12.2@120.6,77.15
VGA_R3: JP7.34 N12.3 | length 16
  Top Layer w0.2: JP7.34@119.83,61.85 121.1,63.12 121.1,70.4 121.4,70.7 N12.3@121.4,77.15
VGA_R4: JP7.36 N12.4 | length 16.3
  Top Layer w0.2: N12.4@122.3,77.15 122.3,75.7 123.525,74.475 123.525,63.005 JP7.36@122.37,61.85
VGA_R5: JP7.38 N11.1 | length 16.2
  Top Layer w0.2: JP7.38@124.91,61.85 126.151,63.091 126.151,69.926 127.2,70.975 v1(127.2,71.025) ; v1(127.2,72.6) N11.1@127.2,77.15
  Bottom Layer w0.2: v1(127.2,71.025) v1(127.2,72.6)
VGA_R6: JP7.40 N11.2 | length 18.9
  Top Layer w0.2: JP7.40@127.45,61.85 128.974,63.374 128.974,69.899 v1(131,71.925) ; N11.2@128.1,77.15 128.112,77.137 128.112,73.213 v1(128.125,73.2)
  Bottom Layer w0.2: v1(128.125,73.2) 129.725,73.2 v1(131,71.925)
VSYNC: P1.14 Q1.3 R9.1 R11.2 | length 27.2
  Top Layer w0.25: P1.14@62.88,161.1 64.33,162.55 66.775,162.55 68.65,160.675 68.65,157.75 71.575,154.825 71.575,154.3 ; Q1.3@71.25,152.541 71.25,153.975 71.575,154.3 ; R9.1@80,155.713 R11.2@80,153.787 76.713,153.787 76.2,154.3 71.575,154.3
WE: JP1.27 U2.16 U3.16 | length 50.6
  Top Layer w0.2: U2.16@87.6,144.338 v1(87.6,143.176) 88.301,142.475 110.649,142.475 111.35,143.176 U3.16@111.35,144.338
  Bottom Layer w0.2: v1(87.6,143.176) 87.6,141.475 85.599,139.474 85.599,133.751 85.9,133.45 87.825,133.45 91.125,130.15 91.125,130.125 93.125,128.125 93.125,126.145 JP1.27@94.43,124.84
pads on no net: D1.2 J2.3 J5.0 J5.SH J7.3 J8.3 J9.3 J27.0 J27.SH J28.0 J28.SH JP1.11 JP2.3 JP5.1 JP11.1 N2.4 N2.5 N3.4 N3.5 N4.4 N4.5 N7.3 N7.6 N11.3 N11.6 N17.1 N17.8 N19.1 P1.4 P1.11 P1.12 P1.15 P5.47 P5.48 P6.0 P6.2 P6.6 P6.10 P6.12 P6.14 P6.20 SW2.1 SW6.4 SW6.5 SW7.4 SW7.5 U1.1 U2.40 U3.40 U5.2 U5.46

## Polygon pours and split planes (outlines as drawn)
3V3 on Mid Layer 2 "3V3_L03_P006" (solid, remove dead copper, pour order 6): 2,160.25 9.5,167.75 161.5,167.75 168.75,160.5 168.75,9.25 160.5,1 9.75,1 2,8.75
GND on Mid Layer 2 "GND_L03_P007" (solid, remove dead copper, pour order 7): 15,82.5 15,97.475 32.25,97.475 32.25,82.5
3V3_MEM on Mid Layer 2 "3V3_MEM_L03_P002" (solid, remove dead copper, pour order 2): 77.5,123.5 77.5,148 129.75,148 129.75,123.5
GND on Bottom Layer "GND_L04_P004" (solid, remove dead copper, pour order 4): 15,83 15,97.775 32.25,97.775 32.25,83
GND on Top Layer "GND_L01_P003" (solid, remove dead copper, pour order 3): 15,82.5 15,97.5 32.25,97.5 32.25,82.5
GND on Mid Layer 1 "GND_L02_P005" (solid, remove dead copper, pour order 5): 0.25,0.25 0.25,169.75 169.75,169.75 169.75,0.25

## Keep-outs
Keep-Out Layer:
  circle w0.254: c4,4 r3.5
  circle w0.254: c166,4 r3.5
  circle w0.254: c166,166 r3.5
  circle w0.254: c4,166 r3.5
  region: 44,0 44,7 47,7 47,0

## Other copper
Top Layer:
  text "WWW.HEBER.CO.UK" at 3,82.25 h1.5 r90
  text "56-23005-3" at 3,65.25 h1.5 r90
  text "1" at 46,1.1 h1.5 r90
  text "TOP SIDE COPPER (LAYER 1)" at 91,-15.75 h2
  text "23005" at 141.5,-15.75 h2
  text ".GTL" at 150.5,-15.75 h2
Mid Layer 1:
  text "2" at 46,2 h1.5 r90
Mid Layer 2:
  text "3" at 46,3.5 h1.52 r90
  text "MID LAYER 2 (LAYER 3)" at 92,-15.75 h2
  text "23005" at 141.5,-15.75 h2
  text ".G2" at 150.5,-15.75 h2
Bottom Layer:
  text "4" at 46,5.1 h1.52 r90
  text "BOTTOM SIDE COPPER (LAYER 4)" at 91,-15.75 h2
  text "23005" at 141.5,-15.75 h2
  text ".GBL" at 150.5,-15.75 h2

## Silkscreen, mask and mechanical layers (free items; w line width, h text height)
Top Overlay:
  drawing of 17 lines, arcs and shapes, not listed
  text "1" at 107.325,163.55 h1.2
  text "SOG" at 87.425,163.2 h1.5
  text "Audio Out" at 93.875,158.9 h1.5 r90
  text "+5V / @4A" at 160,157 h1.51
  text "Digital Audio / TOSlink" at 128.25,156.35 h1.5 r90
  text "5V/3.3V" at 57.05,152.764 h1.5
  text "AUDIO / R/G/L" at 111.75,151.425 h1.5 r90
  text "4:3/16:9" at 47.875,147.589 h1.5
  text "RGB / EURO / SCART" at 5,141 h1.5
  text "1-CEC" at 141.745,131.433 h1.5 r90
  text "1" at 61.4,129.357 h1.2 r90
  text "1" at 31.057,126.8 h1.2
  text "1" at 14.525,124.875 h1.2 r90
  text "1" at 128.957,123.8 h1.2
  text "1" at 100.657,118 h1.2
  text "1" at 127.657,118 h1.2
  text "SW1 - CEC / SW2 - HEC Data- / SW3 - SCL Serial Clock for DDC / SW4 - SDA Serial Data Line for DDC / SW5 - DDC / CEC / HEC Ground / SW6 - +5 V Power *50 mA max / SW7 - Hot Plug Detect / HEC Data+ / SW8 - Spare" at 171.887,107.55 h2.03 r90
  text "1" at 139.207,104.975 h1.2
  text "DE10 -  / Ethernet" at 5.975,104.4 h1.5
  text "1" at 29.275,91.332 h1.2 r90
  text "1" at 19.5,88.957 h1.2 r90
  text "DE10 -  / USB OTG" at 6.3,72.425 h1.52
  text "1" at 95,68.157 h1.2 r90
  text "1" at 117.8,68.057 h1.2 r90
  text "heber.co.uk" at 154.525,68.025 h2.03
  text "1" at 79.9,66.457 h1.2 r90
  text "1" at 160.832,65.55 h1.2
  text "1" at 29.225,65.075 h1.2 r90
  text "3.3V / FAN" at 155.675,61.225 h1.5
  text "1" at 41.75,58 h1.2
  text "Expansion Port" at 74.35,57.925 h1.5
  text "1" at 70.1,57.257 h1.2 r90
  text "1" at 160.525,55.975 h1.2
  text "5V  / FAN" at 156.875,52.8 h1.5
  text "* NOT USB3.x *" at 102.775,50.225 h2.03
  text "1" at 164.2,46.557 h1.2 r90
  text "SNAC support / github.com/blue212" at 108.475,45.825 h2.03
  text "1" at 43.45,45.3 h1.2
  text "User Port / SNAC" at 83.85,44.7 h1.5
  text "1" at 88.455,43.75 h1.2 r90
  text "USB 7" at 58.1,42.375 h1.5
  text "A" at 0.925,42.2 h7.5
  text "1" at 56.7,41.6 h1.2 r90
  text "3V3/5V" at 71.45,39.775 h1.5
  text "1" at 79.25,38.5 h1.2
  text "MiSTer Multisystem  / Designed by Heber Ltd. (C)2021" at 0.955,36.635 h2.03
  text "IO6/3V3" at 71.15,34.175 h1.5
  text "Building on the MiSTer FPGA project  / misterfpga.org Alexey Melnikov (sorgelig)" at 0.9,32.375 h2.03
  text "Audio IN / ADC 0/1" at 121.025,30.975 h1.5 r90
  text "Testing – Neil @RMCRetro" at 1,30.4 h2.03
  text "SD CARD (2)" at 124.35,29.275 h1.5
  text "1" at 28.457,23.8 h1.2
  text "1" at -5.373,23.4 h1.2
  text "1" at 160.457,23.1 h1.2
  text "Reset" at 148.3,16.6 h1.5
  text "1" at 130.7,11.157 h1.2 r90
  text "1" at 140.257,9.6 h1.2
  text "TOP SIDE LEGEND" at 91,-15.75 h2
  text "23005" at 141.5,-15.75 h2
  text ".GTO" at 150.5,-15.75 h2
Top Paste:
  text "TOP SIDE PASTE" at 92,-15.75 h2
  text "23005" at 141.5,-15.75 h2
  text ".GTP" at 150.5,-15.75 h2
Top Solder:
  text "TOP SIDE RESIST" at 91,-15.75 h2
  text "23005" at 141.5,-15.75 h2
  text ".GTS" at 150.5,-15.75 h2
Bottom Solder:
  text "BOTTOM SIDE RESIST" at 91,-15.75 h2
  text "23005" at 141.5,-15.75 h2
  text ".GBS" at 150.5,-15.75 h2
4 Profile:
  drawing of 328 lines, arcs and shapes, not listed
Mechanical 5:
  lines w2: 14,89 14,82 33.25,82 33.25,89 ; 14,92 14,98.75 33.25,98.75 33.25,92 ; 76.25,134.5 76.25,122.25 88.5,122.25 ; 76.25,138.25 76.25,149.25 92,149.25 ; 91.5,122.25 115.75,122.25 ; 95,149.25 115.75,149.25 ; 118.75,122.25 131,122.25 131,134.5 ; 118.75,149.25 131,149.25 131,138.25
15 Placement Top:
  lines w0.05: 43.63,60.58 150.945,60.58 150.945,128.525 43.63,128.525 43.63,60.58
  text "23005-3" at 57.25,-10.25 h2
  text "TOP SIDE ASSEMBLY" at 73,-10.25 h2
Drill Drawing:
  drawing of 686 lines, arcs and shapes, not listed
  text "Symbol" at 212.023,139.675 h1.8
  text "Count" at 223.302,139.675 h1.8
  text "Hole Size" at 235.615,139.675 h1.8
  text "Hole Length" at 249.525,139.675 h1.8
  text "Plated" at 266.272,139.675 h1.8
  text "Hole Type" at 276.035,139.675 h1.8
  text "Via/Pad" at 290.605,139.675 h1.8
  text "Tolerance" at 302.725,139.675 h1.8
  text "388" at 223.302,135.925 h1.5
  text "0.30mm" at 235.615,135.925 h1.5
  text "-" at 249.525,135.925 h1.5
  text "PTH" at 266.272,135.925 h1.5
  text "Round" at 276.035,135.925 h1.5
  text "Via" at 290.605,135.925 h1.5
  text "+/-0.075" at 302.725,135.925 h1.5
  text "G" at 211.33,135.725 h1.67
  text "38" at 223.302,132.175 h1.5
  text "0.60mm" at 235.615,132.175 h1.5
  text "-" at 249.525,132.175 h1.5
  text "PTH" at 266.272,132.175 h1.5
  text "Round" at 276.035,132.175 h1.5
  text "Pad" at 290.605,132.175 h1.5
  text "+0.1/-0" at 302.725,132.175 h1.5
  text "I" at 211.607,131.975 h1.67
  text "9" at 223.302,128.425 h1.5
  text "0.70mm" at 235.615,128.425 h1.5
  text "-" at 249.525,128.425 h1.5
  text "PTH" at 266.272,128.425 h1.5
  text "Round" at 276.035,128.425 h1.5
  text "Pad" at 290.605,128.425 h1.5
  text "+0.1/-0" at 302.725,128.425 h1.5
  text "41" at 223.302,124.675 h1.5
  text "0.80mm" at 235.615,124.675 h1.5
  text "-" at 249.525,124.675 h1.5
  text "PTH" at 266.272,124.675 h1.5
  text "Round" at 276.035,124.675 h1.5
  text "(Mixed)" at 290.605,124.675 h1.5
  text "+0.1/-0" at 302.725,124.675 h1.5
  text "48" at 223.302,120.925 h1.5
  text "0.90mm" at 235.615,120.925 h1.5
  text "-" at 249.525,120.925 h1.5
  text "PTH" at 266.272,120.925 h1.5
  text "Round" at 276.035,120.925 h1.5
  text "Pad" at 290.605,120.925 h1.5
  text "+0.1/-0" at 302.725,120.925 h1.5
  text "4" at 223.302,117.175 h1.5
  text "0.90mm" at 235.615,117.175 h1.5
  text "4.00mm" at 249.525,117.175 h1.5
  text "PTH" at 266.272,117.175 h1.5
  text "Slot" at 276.035,117.175 h1.5
  text "Pad" at 290.605,117.175 h1.5
  text "+0.1/-0" at 302.725,117.175 h1.5
  text "M" at 211.33,116.975 h1.67
  text "232" at 223.302,113.425 h1.5
  text "1.00mm" at 235.615,113.425 h1.5
  text "-" at 249.525,113.425 h1.5
  text "PTH" at 266.272,113.425 h1.5
  text "Round" at 276.035,113.425 h1.5
  text "Pad" at 290.605,113.425 h1.5
  text "+0.1/-0" at 302.725,113.425 h1.5
  text "3" at 223.302,109.675 h1.5
  text "1.00mm" at 235.615,109.675 h1.5
  text "3.50mm" at 249.525,109.675 h1.5
  text "PTH" at 266.272,109.675 h1.5
  text "Slot" at 276.035,109.675 h1.5
  text "Pad" at 290.605,109.675 h1.5
  text "+0.1/-0" at 302.725,109.675 h1.5
  text "B" at 211.33,109.475 h1.67
  text "2" at 223.302,105.925 h1.5
  text "1.10mm" at 235.615,105.925 h1.5
  text "-" at 249.525,105.925 h1.5
  text "PTH" at 266.272,105.925 h1.5
  text "Round" at 276.035,105.925 h1.5
  text "Pad" at 290.605,105.925 h1.5
  text "+0.1/-0" at 302.725,105.925 h1.5
  text "K" at 211.33,105.725 h1.67
  text "37" at 223.302,102.175 h1.5
  text "1.30mm" at 235.615,102.175 h1.5
  text "-" at 249.525,102.175 h1.5
  text "PTH" at 266.272,102.175 h1.5
  text "Round" at 276.035,102.175 h1.5
  text "Pad" at 290.605,102.175 h1.5
  text "+0.1/-0" at 302.725,102.175 h1.5
  text "4" at 223.302,98.425 h1.5
  text "1.50mm" at 235.615,98.425 h1.5
  text "-" at 249.525,98.425 h1.5
  text "PTH" at 266.272,98.425 h1.5
  text "Round" at 276.035,98.425 h1.5
  text "Pad" at 290.605,98.425 h1.5
  text "+0.1/-0" at 302.725,98.425 h1.5
  text "6" at 223.302,94.675 h1.5
  text "1.60mm" at 235.615,94.675 h1.5
  text "-" at 249.525,94.675 h1.5
  text "PTH" at 266.272,94.675 h1.5
  text "Round" at 276.035,94.675 h1.5
  text "Pad" at 290.605,94.675 h1.5
  text "+0.1/-0" at 302.725,94.675 h1.5
  text "F" at 211.33,94.475 h1.67
  text "2" at 223.302,90.925 h1.5
  text "1.70mm" at 235.615,90.925 h1.5
  text "-" at 249.525,90.925 h1.5
  text "NPTH" at 266.272,90.925 h1.5
  text "Round" at 276.035,90.925 h1.5
  text "Pad" at 290.605,90.925 h1.5
  text "+0.1/-0" at 302.725,90.925 h1.5
  text "L" at 211.33,90.725 h1.67
  text "7" at 223.302,87.175 h1.5
  text "1.70mm" at 235.615,87.175 h1.5
  text "-" at 249.525,87.175 h1.5
  text "PTH" at 266.272,87.175 h1.5
  text "Round" at 276.035,87.175 h1.5
  text "Pad" at 290.605,87.175 h1.5
  text "+0.1/-0" at 302.725,87.175 h1.5
  text "2" at 223.302,83.425 h1.5
  text "2.00mm" at 235.615,83.425 h1.5
  text "5.80mm" at 249.525,83.425 h1.5
  text "NPTH" at 266.272,83.425 h1.5
  text "Slot" at 276.035,83.425 h1.5
  text "Pad" at 290.605,83.425 h1.5
  text "+0.1/-0" at 302.725,83.425 h1.5
  text "18" at 223.302,79.675 h1.5
  text "2.30mm" at 235.615,79.675 h1.5
  text "-" at 249.525,79.675 h1.5
  text "PTH" at 266.272,79.675 h1.5
  text "Round" at 276.035,79.675 h1.5
  text "Pad" at 290.605,79.675 h1.5
  text "+0.1/-0" at 302.725,79.675 h1.5
  text "2" at 223.302,75.925 h1.5
  text "2.40mm" at 235.615,75.925 h1.5
  text "-" at 249.525,75.925 h1.5
  text "NPTH" at 266.272,75.925 h1.5
  text "Round" at 276.035,75.925 h1.5
  text "Pad" at 290.605,75.925 h1.5
  text "+0.1/-0" at 302.725,75.925 h1.5
  text "C" at 211.33,75.725 h1.67
  text "10" at 223.302,72.175 h1.5
  text "3.20mm" at 235.615,72.175 h1.5
  text "-" at 249.525,72.175 h1.5
  text "PTH" at 266.272,72.175 h1.5
  text "Round" at 276.035,72.175 h1.5
  text "Pad" at 290.605,72.175 h1.5
  text "+0.1/-0" at 302.725,72.175 h1.5
  text "4" at 223.302,68.425 h1.5
  text "3.30mm" at 235.615,68.425 h1.5
  text "-" at 249.525,68.425 h1.5
  text "NPTH" at 266.272,68.425 h1.5
  text "Round" at 276.035,68.425 h1.5
  text "Pad" at 290.605,68.425 h1.5
  text "+0.15/-0" at 302.725,68.425 h1.5
  text "J" at 211.33,68.225 h1.67
  text "857 Total" at 223.302,64.675 h1.5
  text "Slot definitions :" at 212.023,61.151 h1.5
  text "Routed Path Length" at 230.268,61.151 h1.5
  text "= Calculated from tool start centre position to tool end centre position." at 252.063,61.151 h1.5
  text "Hole Length" at 230.268,58.751 h1.5
  text "= Routed Path Length + Tool Size = Slot length as defined in the PCB layout" at 243.501,58.751 h1.5
  text "23005" at 240.675,44.05 h2.5
  text "05/10/2021" at 206,44 h2.5
  text "-3" at 252.5,44 h2.5
  text "MANUFACTURE PCB USING FOLLOWING ARTWORKS" at 206,39 h2.5
  text "TOP SIDE COPPER (LAYER 1)" at 206,34 h2
  text "23005" at 263.25,34 h2
  text ".GTL" at 273,34 h2
  text "MID LAYER 1 (LAYER 2)" at 206,31 h2
  text "23005" at 263.25,31 h2
  text ".G1" at 273,31 h2
  text "MID LAYER 2 (LAYER 3)" at 206,28 h2
  text "23005" at 263.25,28 h2
  text ".G2" at 273,28 h2
  text "BOTTOM SIDE COPPER (LAYER 4)" at 206,25 h2
  text "23005" at 263.25,25 h2
  text ".GBL" at 273,25 h2
  text "TOP SIDE RESIST" at 206,22 h2
  text "23005" at 263.25,22 h2
  text ".GTS" at 273,22 h2
  text "BOTTOM SIDE RESIST" at 206,19 h2
  text "23005" at 263.25,19 h2
  text ".GBS" at 273,19 h2
  text "23005" at 263.25,16 h2
  text ".GTO" at 273,16 h2
  text "TOP SIDE LEGEND" at 206,15.89 h2
  text "NOTE" at 205,7.8 h2.5
  text "NO MANUFACTURERS REFERENCES TO APPEAR IN COPPER" at 205,2.8 h2
  text "OTHER THAN THOSE ON THE ORIGINAL ARTWORKS" at 205,-0.2 h2
  text "LAYERS 1 AND 4  / 90 OHM DIFF PAIRS / 0.23 TRACKS , 0.125 SEPERATION" at 205,-13 h2
  text "MATERIAL AND STACKUP" at 205.65,-21.55 h2.5
  text "SEE README.TXT" at 205.65,-25.55 h2
Actual Profile:
  lines w0.2: 0,0 47,0 121,0 170,0 170,170 0,170 0,0
Mechanical 20:
  lines w0.1: 47,0 47,29 111.5,29 123,29 123,0

## Dimensions
4,166 to 0,170 on Drill Drawing
170,170 to 0,170 on Drill Drawing
4,166 to 166,166 on Drill Drawing
4,4 to 0,0 on Drill Drawing
4,166 to 4,4 on Drill Drawing
0,0 to 0,170 on Drill Drawing

## Text inside footprints (layer, text, board x,y; h text height)
J27: 16 Placement Bottom "$ 6N35" at 9.365,123.14 h0.64
J28: 16 Placement Bottom "$ 6N35" at 17.377,155.9 h0.64 r180